# Altium PCB Audio_Research.PcbDoc (part 1 of 4) (continued)
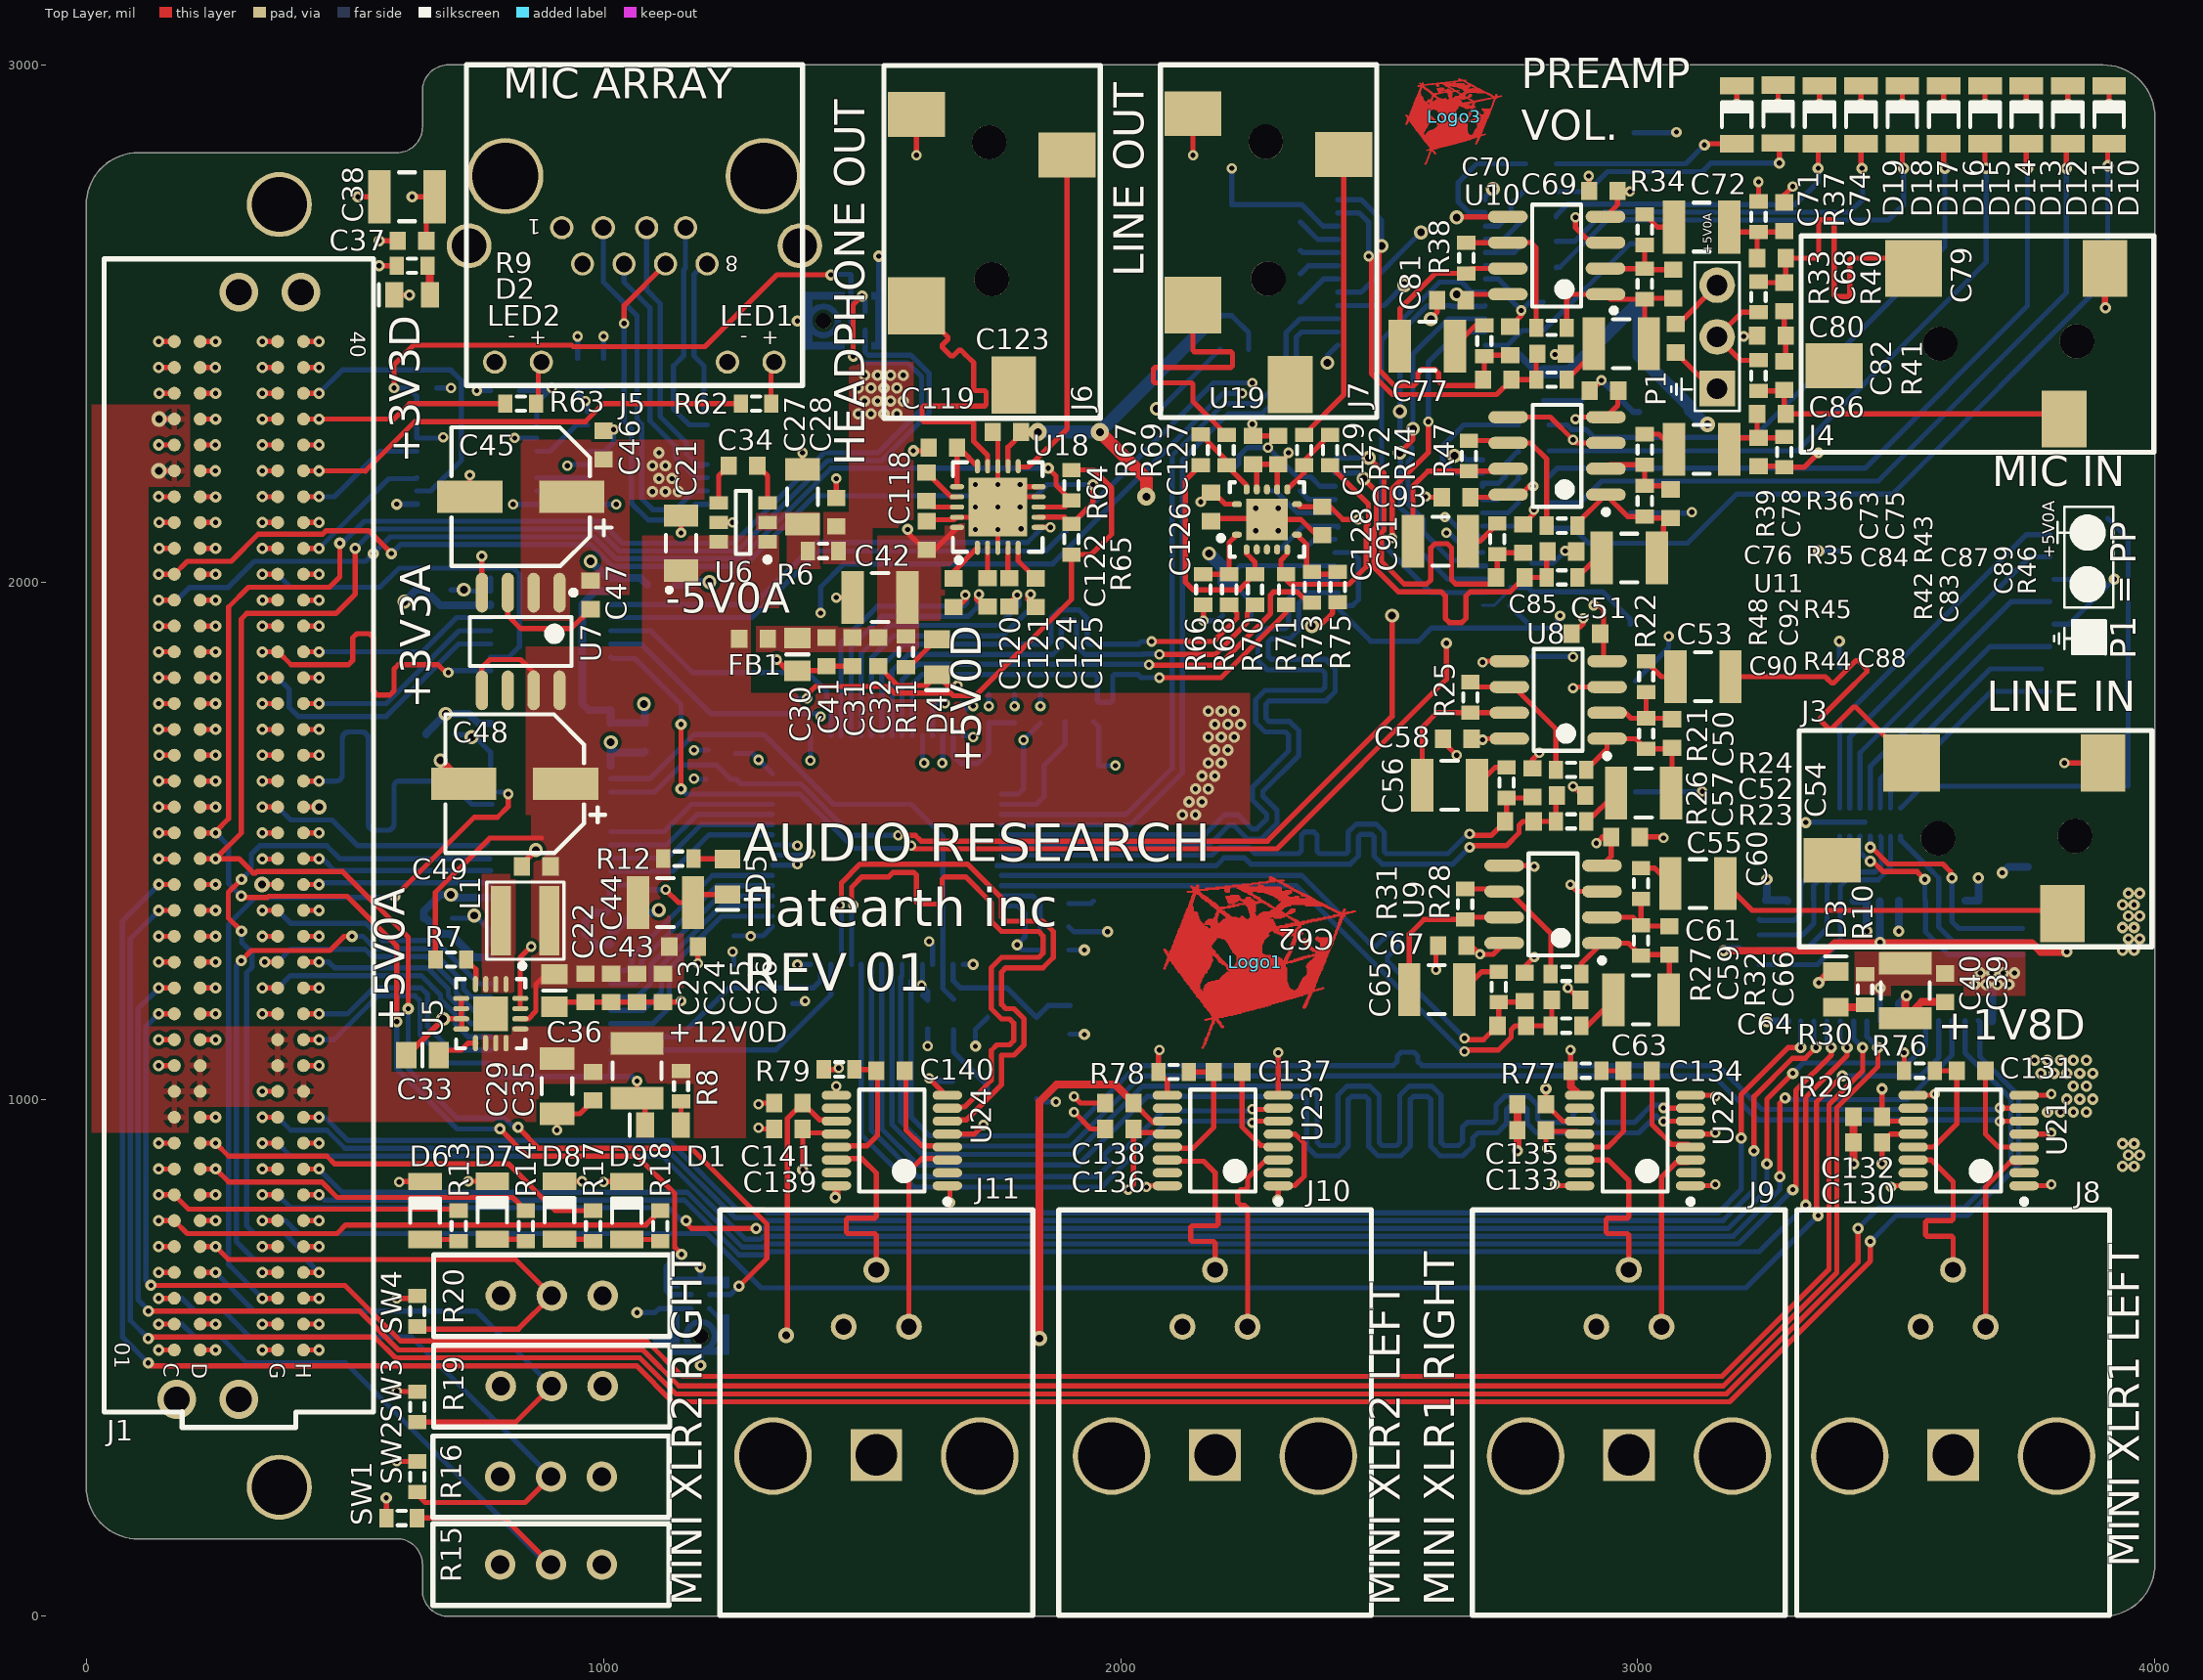
[diagram p0: Top Layer view]
## Components (designator, comment, footprint, x,y, rotation, side; value= is the part's Value field where it differs from the comment) (continued)
C74 "C1608C0G2A101J" 3-0603_L 3283.66,2706.34 r90 top
C75 "CL10F104ZO8NNNC" 3-0603_L 3073.66,2471.34 r90 top
C76 "C1608C0G2A101J" 3-0603_L 2728.35,2391.34 r0 top
C77 "CL32A476KOJNNNE" C1210X25_L 2593.35,2456.34 r0 top
C78 "" 3-0603_L 2753.35,2466.34 r270 top
C79 "CL10B102KB8NNNC" 3-0603_L 3283.66,2551.34 r90 top
C80 "CL10B102KB8NNNC" 3-0603_L 3258.66,2476.34 r180 top
C81 "CL10F104ZO8NNNC" 3-0603_L 2640,2545 r0 top
C82 "CL10B102KB8NNNC" 3-0603_L 3283.66,2399.29 r90 top
C83 "CL10C121JB8NCNC" 3-0603_L 3063.66,2151.34 r270 top
C84 "CL10F104ZO8NNNC" 3-0603_L 2935,2370 r0 top
C85 "" 3-0603_L 2853.66,2058.9 r0 top
C86 "CGA3E1X7R1C105M080AC" 3-0603_L 3258.66,2325.04 r180 top
C87 "CL32A476KOJNNNE" C1210X25_L 3123.66,2256.34 r180 top
C88 "CL32A476KOJNNNE" C1210X25_L 2983.66,2046.34 r180 top
C89 "C1608C0G2A101J" 3-0603_L 3233.66,2251.34 r270 top
C90 "C1608C0G2A101J" 3-0603_L 2753.66,2008.9 r0 top
C91 "CL32A476KOJNNNE" C1210X25_L 2618.66,2078.9 r0 top
C92 "" 3-0603_L 2778.66,2083.9 r270 top
C93 "CL10F104ZO8NNNC" 3-0603_L 2648.66,2163.9 r0 top
C94 "T495D475K050ATE275" 2917-TANTALUM-CAP 2995.83,1594.09 r90 bottom
C95 "T495D475K050ATE275" 2917-TANTALUM-CAP 2985.83,2133.23 r270 bottom
C96 "CL10F104ZO8NNNC" 3-0603_L 2795.83,1883.66 r90 bottom
C97 "CL10F104ZO8NNNC" 3-0603_L 2845.83,1883.66 r90 bottom
C98 "CL10F104ZO8NNNC" 3-0603_L 2795.83,2008.66 r270 bottom
C99 "CL10F104ZO8NNNC" 3-0603_L 2225,1935.47 r0 bottom
C100 "T495D475K050ATE275" 2917-TANTALUM-CAP 2200.14,2000.43 r90 bottom
C101 "CL10F104ZO8NNNC" 3-0603_L 2320,2176.02 r180 bottom
C102 "CL10F104ZO8NNNC" 3-0603_L 2330,2065 r180 bottom
C103 "T495D475K050ATE275" 2917-TANTALUM-CAP 3002.72,2329.09 r90 bottom
C104 "T495D475K050ATE275" 2917-TANTALUM-CAP 2992.72,2868.66 r270 bottom
C105 "CL10F104ZO8NNNC" 3-0603_L 2817.72,2378.66 r90 bottom
C106 "CL10F104ZO8NNNC" 3-0603_L 2867.72,2378.66 r90 bottom
C107 "CL10F104ZO8NNNC" 3-0603_L 2817.72,2513.66 r270 bottom
C108 "CL10F104ZO8NNNC" 3-0603_L 2220,2449.88 r0 bottom
C109 "T495D475K050ATE275" 2917-TANTALUM-CAP 2215,2515 r90 bottom
C110 "CL10F104ZO8NNNC" 3-0603_L 2335,2665 r270 bottom
C111 "CL10F104ZO8NNNC" 3-0603_L 2347.72,2568.7 r90 bottom
C112 "CL10F104ZO8NNNC" 3-0603_L 1000,2405.47 r90 bottom
C113 "C0603C472K8RACTU" 3-0603_L 950,2405.47 r270 bottom
C114 "CL10F104ZO8NNNC" 3-0603_L 810,2370 r180 bottom
C115 "CL10F104ZO8NNNC" 3-0603_L 650,2375.47 r0 bottom
C116 "CL10F104ZO8NNNC" 3-0603_L 1505,2595 r180 bottom
C117 "CL10F104ZO8NNNC" 3-0603_L 1100,560 r270 bottom
C118 "CGA3E1X7R1C105M080AC" 3-0603_L 1624.45,2184.37 r90 top
C119 "CGA3E1X7R1C105M080AC" 3-0603_L 1656.22,2260 r180 top
C120 "CGA3E1X7R1C474M080AC" 3-0603_L 1677.28,1979.49 r90 top
C121 "CGA3E1X7R1C474M080AC" 3-0603_L 1742.8,1979.84 r90 top
C122 "CGA3E1X7R1C105M080AC" 3-0603_L 1625,2090 r90 top
C123 "CGA3E1X7R1C105M080AC" 3-0603_L 1780,2290 r0 top
C124 "CGA3E1X7R1C474M080AC" 3-0603_L 1785,1979.84 r90 top
C125 "CGA3E1X7R1C474M080AC" 3-0603_L 1836.03,1979.36 r90 top
C126 "CL10F104ZO8NNNC" 3-0603_L 2175,2145 r90 top
C127 "CL10F104ZO8NNNC" 3-0603_L 2256.22,2255 r270 top
C128 "CL10F104ZO8NNNC" 3-0603_L 2390,2117.91 r270 top
C129 "CL10F104ZO8NNNC" 3-0603_L 2305,2255 r90 top
C130 "CL10F104ZO8NNNC" 3-0603_L 3444.72,916.16 r180 top
C131 "CL10F104ZO8NNNC" 3-0603_L 3645,1055 r0 top
C132 "CL10F104ZO8NNNC" 3-0603_L 3444.72,966.16 r180 top
C133 "CL10F104ZO8NNNC" 3-0603_L 2795,940 r180 top
C134 "CL10F104ZO8NNNC" 3-0603_L 3000,1055 r0 top
C135 "CL10F104ZO8NNNC" 3-0603_L 2795,990 r180 top
C136 "CL10F104ZO8NNNC" 3-0603_L 1997.72,942.5 r180 top
C137 "CL10F104ZO8NNNC" 3-0603_L 2207.72,1052.5 r0 top
C138 "CL10F104ZO8NNNC" 3-0603_L 1997.72,992.5 r180 top
C139 "CL10F104ZO8NNNC" 3-0603_L 1357.72,942.5 r180 top
C140 "CL10F104ZO8NNNC" 3-0603_L 1555,1055 r0 top
C141 "CL10F104ZO8NNNC" 3-0603_L 1357.72,992.5 r180 top
C142 "CL10F104ZO8NNNC" 3-0603_L 3755,1417.98 r90 bottom
C143 "CL10F104ZO8NNNC" 3-0603_L 3220,1385 r0 bottom
D1 "LED_RED 4" DIOM2012X12L_RED 1115,950 r180 top
D2 "LED_RED 4" DIOM2012X12L_RED 630,2555 r180 top
D3 "LED_RED 4" DIOM2012X12L_RED 3383,1212.17 r90 top
D4 "LED_ORANGE 3" DIOM2012X12L_ORANGE 1645,1855 r270 top
D5 "LED_ORANGE 3" DIOM2012X12L_ORANGE 1240,1430 r270 top
D6 "LED_GREEN 2" DIOCP3216X11L 655,784.68 r90 top
D7 "LED_GREEN 2" DIOCP3216X11L 785,785.16 r90 top
D8 "LED_GREEN 2" DIOCP3216X11L 915,785.16 r90 top
D9 "LED_GREEN 2" DIOCP3216X11L 1045,784.69 r90 top
D10 "LED_GREEN 2" DIOCP3216X11L 3911.72,2903.66 r90 top
D11 "LED_GREEN 2" DIOCP3216X11L 3831.72,2903.66 r90 top
D12 "LED_GREEN 2" DIOCP3216X11L 3751.72,2903.66 r90 top
D13 "LED_GREEN 2" DIOCP3216X11L 3671.72,2903.66 r90 top
D14 "LED_GREEN 2" DIOCP3216X11L 3591.72,2903.66 r90 top
D15 "LED_GREEN 2" DIOCP3216X11L 3511.72,2903.66 r90 top
D16 "LED_GREEN 2" DIOCP3216X11L 3431.72,2903.66 r90 top
D17 "LED_GREEN 2" DIOCP3216X11L 3351.72,2903.66 r90 top
D18 "LED_GREEN 2" DIOCP3216X11L 3271.72,2904.76 r90 top
D19 "LED_GREEN 2" DIOCP3216X11L 3191.72,2903.66 r90 top
FB1 "BLM18BA220SN1D" 3-0603_L 1290,1890 r0 top
J1 "CONN SNGL-END ARRAY FMALE 160POS" ASP-134603-01 295,1490 r270 top
J2 "CONN SNGL-END ARRAY MALE 160POS" ASP-134604-01 295,1490 r270 bottom
J3 "SJ-3523-SMT-TR" SJ-3523-SMT-TR 3900,1650 r180 top
J4 "SJ-3523-SMT-TR" SJ-3523-SMT-TR 3903.74,2606.34 r180 top
J5 "CONN MOD JACK 8P8C R/A SHIELDED" RJ45 1059.92,2615 r180 top
J6 "SJ-3523-SMT-TR" SJ-3523-SMT-TR 1605.28,2904.37 r270 top
J7 "SJ-3523-SMT-TR" SJ-3523-SMT-TR 2140,2905.47 r270 top
J8 "CONN RCPT MALE MINI XLR 3P SLDR" TRA3M 3610,560 r270 top
J9 "CONN RCPT MALE MINI XLR 3P SLDR" TRA3M 2983,560 r270 top
J10 "CONN RCPT MALE MINI XLR 3P SLDR" TRA3M 2182.72,560 r270 top
J11 "CONN RCPT MALE MINI XLR 3P SLDR" TRA3M 1527.72,560 r270 top
J12 "Micro SD" 693071010811 3675,1865 r90 bottom
L1 "2.2uH Ind" XFL4020 801.69,1345 r0 top
Logo1 "FE_LOGO" feLogo_medium 2260,1265 r0 top
Logo3 "FE_LOGO" feLogo_small 2645,2900 r0 top
P1 "3PIN_Connector" 3PIN_HEADER 3153.66,2373.9 r90 top
R1 "ERJ-3EKF49R9V" 3-0603_R_L 1675,1160 r90 bottom
R2 "ERJ-3EKF5620V" 3-0603_R_L 1947.28,1353.28 r90 bottom
R3 "ERJ-3GEYJ103V" 3-0603_R_L 1400,1775 r0 bottom
R4 "ERJ-3GEYJ103V" 3-0603_R_L 1395,1185 r0 bottom
R5 "ERJ-3GEYJ103V" 3-0603_R_L 1227.28,1618.28 r0 bottom
R6 "ERJ-3RQF3R9V" 3-0603_R_L 1425,2060 r0 top
R7 "ERJ-3EKF1003V" 3-0603_R_L 705,1270 r180 top
R8 "RMCF0603FT1K10" 3-0603_R_L 1150,1025 r90 top
R9 "ERJ-3EKF3740V" 3-0603_R_L 630,2611.46 r180 top
R10 "ERA-3AEB181V" 3-0603_R_L 3439.72,1212.01 r90 top
R11 "ERJ-3EKF4990V" 3-0603_R_L 1585,1865 r90 top
R12 "RMCF0603FT1K10" 3-0603_R_L 1145,1465 r180 top
R13 "ERA-3AEB181V" 3-0603_R_L 720,755 r90 top
R14 "ERA-3AEB181V" 3-0603_R_L 850,755 r90 top
R15 "ERJ-3GEYJ103V" 3-0603_R_L 610,190 r180 top
R16 "ERJ-3GEYJ103V" 3-0603_R_L 640,270 r90 top
R17 "ERA-3AEB181V" 3-0603_R_L 980,755 r90 top
R18 "ERA-3AEB181V" 3-0603_R_L 1110,755 r90 top
R19 "ERJ-3GEYJ103V" 3-0603_R_L 640,405 r90 top
R20 "ERJ-3GEYJ103V" 3-0603_R_L 640,590 r90 top
R21 "ERJ-3EKF5761V" 3-0603_R_L 3016.38,1707.01 r270 top
R22 "ERJ-3EKF5761V" 3-0603_R_L 3016.38,1817.01 r270 top
R23 "ERJ-3EKF2370V" 3-0603_R_L 2871.38,1537.01 r180 top
R24 "ERJ-3EKF5761V" 3-0603_R_L 2871.38,1637.01 r180 top
R25 "ERJ-3EKF5761V" 3-0603_R_L 2676.38,1777.01 r270 top
R26 "ERJ-3EKF2370V" 3-0603_R_L 2746.38,1612.01 r270 top
R27 "ERJ-3EKF5761V" 3-0603_R_L 3006.38,1307.01 r270 top
R28 "ERJ-3EKF5761V" 3-0603_R_L 3006.38,1417.01 r270 top
R29 "ERJ-3EKF2370V" 3-0603_R_L 2861.38,1142.01 r180 top
R30 "ERJ-3EKF5761V" 3-0603_R_L 2861.38,1242.01 r0 top
R31 "ERJ-3EKF5761V" 3-0603_R_L 2666.38,1377.01 r270 top
R32 "ERJ-3EKF2370V" 3-0603_R_L 2731.38,1217.01 r270 top
R33 "ERJ-3EKF5761V" 3-0603_R_L 3013.66,2576.34 r270 top
R34 "ERJ-3EKF5761V" 3-0603_R_L 3013.66,2681.34 r270 top
R35 "ERJ-3EKF2370V" 3-0603_R_L 2833.35,2391.34 r180 top
R36 "ERJ-3EKF5761V" 3-0603_R_L 2833.35,2491.34 r180 top
R37 "ERJ-3EKF4991V" 3-0603_R_L 3233.66,2706.34 r270 top
R38 "ERJ-3EKF5761V" 3-0603_R_L 2668.66,2626.34 r270 top
R39 "ERJ-3EKF2370V" 3-0603_R_L 2703.35,2466.34 r270 top
R40 "ERJ-3EKF6811V" 3-0603_R_L 3233.66,2551.34 r90 top
R41 "ERJ-3EKF6811V" 3-0603_R_L 3233.66,2399.29 r90 top
R42 "ERJ-3EKF5761V" 3-0603_R_L 3013.66,2156.34 r270 top
R43 "ERJ-3EKF5761V" 3-0603_R_L 3013.66,2256.34 r270 top
R44 "ERJ-3EKF2370V" 3-0603_R_L 2853.66,2008.9 r180 top
R45 "ERJ-3EKF5761V" 3-0603_R_L 2853.66,2108.9 r180 top
R46 "ERJ-3EKF4991V" 3-0603_R_L 3283.66,2251.34 r90 top
R47 "ERJ-3EKF5761V" 3-0603_R_L 2673.66,2243.9 r270 top
R48 "ERJ-3EKF2370V" 3-0603_R_L 2728.66,2083.43 r270 top
R49 "ERJ-2RKF10R0X" 2-0402_R_L 2755,1970 r90 bottom
R50 "ERJ-3EKF4990V" 3-0603_R_L 2798.71,2103.66 r180 bottom
R51 "ERJ-3EKF4990V" 3-0603_R_L 2798.71,2153.66 r180 bottom
R52 "ERJ-3EKF4990V" 3-0603_R_L 2798.71,2203.66 r180 bottom
R53 "ERJ-3EKF4990V" 3-0603_R_L 2798.71,2253.66 r180 bottom
R54 "ERJ-3EKF4990V" 3-0603_R_L 2798.71,2303.66 r180 bottom
R55 "ERJ-2RKF10R0X" 2-0402_R_L 2770,2460 r90 bottom
R56 "ERJ-3EKF4990V" 3-0603_R_L 2812.72,2608.66 r180 bottom
R57 "ERJ-3EKF4990V" 3-0603_R_L 2812.72,2658.66 r180 bottom
R58 "ERJ-3EKF4990V" 3-0603_R_L 2812.72,2708.66 r180 bottom
R59 "ERJ-3EKF4990V" 3-0603_R_L 2812.72,2758.66 r180 bottom
R60 "ERJ-3EKF4990V" 3-0603_R_L 2812.72,2808.66 r180 bottom
R61 "ERA-3AEB101V" 3-0603_R_L 1165,2395 r0 bottom
R62 "ERA-3AEB181V" 3-0603_R_L 1295,2345 r0 top
R63 "ERA-3AEB181V" 3-0603_R_L 840,2345 r0 top
R64 "ERJ-3GEYJ103V" 3-0603_R_L_DNP 1905,2187.21 r90 top
R65 "ERJ-3GEYJ103V" 3-0603_R_L_DNP 1905,2082.69 r270 top
R66 "ERJ-3EKF1001V" 3-0603_R_L 2160,1985.47 r270 top
R67 "ERJ-3EKF1001V" 3-0603_R_L 2155,2255.47 r90 top
R68 "ERJ-3EKF1001V" 3-0603_R_L 2210,1985.47 r90 top
R69 "ERJ-3EKF39R2V" 3-0603_R_L 2205,2255 r90 top
R70 "ERJ-3EKF1001V" 3-0603_R_L 2260,1985.47 r90 top
R71 "ERJ-3EKF1001V" 3-0603_R_L 2320,1985.47 r90 top
R72 "ERJ-3EKF39R2V" 3-0603_R_L 2355,2255 r90 top
R73 "ERJ-3EKF1001V" 3-0603_R_L 2370,1990 r90 top
R74 "ERJ-3EKF1001V" 3-0603_R_L 2405,2255 r270 top
R75 "ERJ-3EKF1001V" 3-0603_R_L 2420,1990.47 r90 top
R76 "RMCF0603FG1M00" 3-0603_R_L 3545,1055 r180 top
R77 "RMCF0603FG1M00" 3-0603_R_L 2900,1055 r180 top
R78 "RMCF0603FG1M00" 3-0603_R_L 2102.72,1052.5 r180 top
R79 "RMCF0603FG1M00" 3-0603_R_L 1455.62,1057.5 r180 top
R80 "ERJ-2GEJ103X" 2-0402_R_L 3215.35,1260 r180 bottom
R81 "ERJ-2GEJ103X" 2-0402_R_L 3215.35,1290 r180 bottom
R82 "ERJ-2GEJ103X" 2-0402_R_L 3764.22,1330 r0 bottom
R83 "ERJ-2GEJ103X" 2-0402_R_L 3764.13,1279.45 r0 bottom
R84 "ERJ-2GEJ103X" 2-0402_R_L 3215.35,1317.56 r180 bottom
R85 "ERJ-2GEJ103X" 2-0402_R_L 3215.35,1347.56 r180 bottom
R86 "ERJ-2GEJ103X" 2-0402_R_L 3764.22,1304.68 r0 bottom
SW1 "Slide Switch SPDT Through Hole" EG1218 800,100 r0 top
SW2 "Slide Switch SPDT Through Hole" EG1218 800,270 r0 top
SW3 "Slide Switch SPDT Through Hole" EG1218 801.57,445 r0 top
SW4 "Slide Switch SPDT Through Hole" EG1218 801.57,620 r0 top
U1 "AD1939YSTZ" ST_64_2 1548.06,1481.71 r90 bottom
U2 "IC BUS TRANSCVR 8BIT 24TSSOP" TSOP65P640X120-24N 897.74,1867.33 r180 bottom
U3 "IC BUS TRANSCVR 8BIT 24TSSOP" TSOP65P640X120-24N 897.74,1184.68 r180 bottom
U4 "IC BUS TRANSCVR 8BIT 24TSSOP" TSOP65P640X120-24N 897.74,1530 r180 bottom
U5 "IC REG BUCK 5V 2A SYNC 16QFN" QFN50P300X300X100_HS-17N 782.09,1165.25 r270 top
U6 "SymName" SOT23-6_L 1270,2115.24 r180 top
U7 "ADP3303ARZ-3.3-RL7" SOIC127P600X175-8L 840,1885 r270 top
U8 "ADA4075-2ARZ-R7" SOIC127P600X175-8L 2846.38,1772.01 r180 top
U9 "ADA4075-2ARZ-R7" SOIC127P600X175-8L 2836.38,1376.69 r180 top
U10 "ADA4075-2ARZ-R7" SOIC127P600X175-8L 2843.35,2631.34 r180 top
U11 "ADA4075-2ARZ-R7" SOIC127P600X175-8L 2843.98,2243.9 r180 top
U12 "INMP621" INMP621#1 1464.72,2505 r180 bottom
U13 "Microphone Preamp" SOP65P780X200-24N 2557.28,2095.43 r180 bottom
U14 "Microphone Preamp" SOP65P780X200-24N 2562.72,2598.66 r180 bottom
U15 "DS90LV049TMT" TSOP65P640X120-16N 1085,2240 r180 bottom
U16 "IC TXRX 4BIT DUAL 3ST 16TSSOP" TSOP65P640X120-16N 755,2240 r180 bottom
U17 "INMP621" INMP621#2 1187.72,581.22 r270 bottom
U18 "TPA6130A2RTJR" QFN50P400X400X80_HS-21N 1762.64,2145 r90 top
U19 "TPA6120A2RGYT" PQFN50P350X350X100_HS-15N 2283.07,2120.95 r90 top
U20 "NUF8610MNTXG" ONSC-DFN-16-506AC_V 3439.84,1535.56 r90 bottom
U21 "1606Q16-U" SOP64P600X175-16N 3640,920 r180 top
U22 "1606Q16-U" SOP64P600X175-16N 2995,920 r180 top
U23 "1606Q16-U" SOP64P600X175-16N 2197.72,920 r180 top
U24 "1606Q16-U" SOP64P600X175-16N 1557.72,920 r180 top
U25 "IC TXRX 4BIT DUAL 3ST 16TSSOP" TSOP65P640X120-16N 3379.09,1267 r90 bottom
U26 "IC TXRX 4BIT DUAL 3ST 16TSSOP" TSOP65P640X120-16N 3595,1267.8 r90 bottom
Y1 "ABM3B-12.288MHZ-10-1-U-T" ADM3B 1797.91,1079.54 r270 bottom

## Footprints (in the part's own frame and the unit in brackets; to place one, negate y for a bottom-side part, rotate by r counter-clockwise, add the part's x,y. Pads: shape width x height; smd on the part's side, far side on the other; paste and mask are expansions set on the pad)
2-0402_R_L [mm] "Chip Resistor, Body 1.0x0.5mm, IPC High Density"
  rect 0.6x0.5 smd: 1(-0.5,0) 2(0.5,0)
  body extent -0.5,-0.25 0.5,0.25, height 0.35
3-0603_L [mm] "Chip Capacitor, Body 1.6x0.8mm, IPC High Density"
  rect 0.8x0.9 smd: 1(-0.7,0) 2(0.7,0)
  body extent -0.8,-0.4 0.8,0.4, height 0.9
3-0603_R_L [mm] "Chip Resistor, Body 1.6x0.8mm, IPC High Density"
  rect 0.7x0.9 smd: 1(-0.75,0) 2(0.75,0)
  silkscreen extent -0.2,-0.35 0.2,0.35, body extent -0.77,-0.42 0.78,0.43, height 0.45
3-0603_R_L_DNP [mm] "Chip Resistor, Body 1.6x0.8mm, IPC High Density"
  rect 0.7x0.9 smd: 1(-0.75,0) 2(0.75,0)
  silkscreen extent -0.2,-0.35 0.2,0.35
3PIN_HEADER [mm]
  rect 1.75x1.75 hole 1.02: 1(0,0)
  round 1.75 hole 1.02: 2(2.54,0) 3(5.08,0)
  silkscreen extent -1.1,-1.1 6.2,1.1, body extent -1.37,-1.24 6.37,1.3, height 8.38
6-0805_L [mm] "Chip Capacitor, Body 2.0x1.2mm, IPC High Density"
  rect 1x1.3 smd: 1(-0.8,0) 2(0.8,0)
  silkscreen extent 0,-0.55 0,0.55, body extent -1,-0.62 1,0.63, height 1
2917-TANTALUM-CAP [mm]
  rect 1.85x2.4 smd: 1(0,0) 2(5.45,0)
  silkscreen extent -1.25,-2.6 6.7,2.35, body extent -1,-2.45 6.4,2, height 1.89
693071010811 [mm] "CONN MICRO SD 8 POS SMD"
  rect 0.8x1.5 smd mask+0: 1(-1.94,3.1) 2(-0.84,2.7) 3(0.26,3.1) 4(1.36,3.3) 5(2.46,3.1) 6(3.56,3.3) 7(4.66,3.1) 8(5.76,3.1)
  rect 1.4x1.9 smd: 9(-6.6,6.95) 9(6.55,5.95)
  rect 1.8x1.4 smd: 10(-0.75,-7.2) 10(4.95,-7.2)
  silkscreen extent -7,-7.6 7,7.6, body extent -7,-7.6 7,7.61, height 1.83
ADM3B [mm] "Ceramic SMD Crystal"
  rect 1.8x1.2 smd: 1(-2,-1) 2(2,-1) 3(2,1.4) 4(-2,1.4)
  silkscreen extent -3.55,-2.3 3.18,2.27, body extent -2.55,-1.35 2.45,1.83, height 1.1
ALUMCAPC630D_D [mm] "Panasonic Aluminum Electrolytic Capacitor, 6.3mm in diameter"
  rect 3.2x1.6 smd: 1(-2.5,0) 2(2.5,0)
  silkscreen extent -4.45,-3.4 3.4,3.4, body extent -3.5,-3.3 3.5,3.3, height 5.41
ASP-134603-01 [mil] "Low Pin Count Female FPGA Mezzanine Card Connector"
  round 25 smd: C1(975,-125) C2(925,-125) C3(875,-125) C4(825,-125) C5(775,-125) C6(725,-125) C7(675,-125) C8(625,-125) C9(575,-125) C10(525,-125) C11(475,-125) C12(425,-125) C13(375,-125) C14(325,-125) C15(275,-125) C16(225,-125) C17(175,-125) C18(125,-125) C19(75,-125) C20(25,-125) C21(-25,-125) C22(-75,-125) C23(-125,-125) C24(-175,-125) C25(-225,-125) C26(-275,-125) C27(-325,-125) C28(-375,-125) C29(-425,-125) C30(-475,-125) C31(-525,-125) C32(-575,-125) C33(-625,-125) C34(-675,-125) C35(-725,-125) C36(-775,-125) C37(-825,-125) C38(-875,-125) C39(-925,-125) C40(-975,-125) D1(975,-75) D2(925,-75) D3(875,-75) D4(825,-75) D5(775,-75) D6(725,-75) D7(675,-75) D8(625,-75) D9(575,-75) D10(525,-75) D11(475,-75) D12(425,-75) D13(375,-75) D14(325,-75) D15(275,-75) D16(225,-75) D17(175,-75) D18(125,-75) D19(75,-75) D20(25,-75) D21(-25,-75) D22(-75,-75) D23(-125,-75) D24(-175,-75) D25(-225,-75) D26(-275,-75) D27(-325,-75) D28(-375,-75) D29(-425,-75) D30(-475,-75) D31(-525,-75) D32(-575,-75) D33(-625,-75) D34(-675,-75) D35(-725,-75) D36(-775,-75) D37(-825,-75) D38(-875,-75) D39(-925,-75) D40(-975,-75) G1(975,75) G2(925,75) G3(875,75) G4(825,75) G5(775,75) G6(725,75) G7(675,75) G8(625,75) G9(575,75) G10(525,75) G11(475,75) G12(425,75) G13(375,75) G14(325,75) G15(275,75) G16(225,75) G17(175,75) G18(125,75) G19(75,75) G20(25,75) G21(-25,75) G22(-75,75) G23(-125,75) G24(-175,75) G25(-225,75) G26(-275,75) G27(-325,75) G28(-375,75) G29(-425,75) G30(-475,75) G31(-525,75) G32(-575,75) G33(-625,75) G34(-675,75) G35(-725,75) G36(-775,75) G37(-825,75) G38(-875,75) G39(-925,75) G40(-975,75) H1(975,125) H2(925,125) H3(875,125) H4(825,125) H5(775,125) H6(725,125) H7(675,125) H8(625,125) H9(575,125) H10(525,125) H11(475,125) H12(425,125) H13(375,125) H14(325,125) H15(275,125) H16(225,125) H17(175,125) H18(125,125) H19(75,125) H20(25,125) H21(-25,125) H22(-75,125) H23(-125,125) H24(-175,125) H25(-225,125) H26(-275,125) H27(-325,125) H28(-375,125) H29(-425,125) H30(-475,125) H31(-525,125) H32(-575,125) H33(-625,125) H34(-675,125) H35(-725,125) H36(-775,125) H37(-825,125) H38(-875,125) H39(-925,125) H40(-975,125)
  silkscreen extent -1135,-261 1125,261, body extent -1132,-257 1130,264, height 258
ASP-134604-01 [mil] "Low Pin Count 10mm Male FPGA Mezzanine Card Connector"
  round 25 smd: C1(975,125) C2(925,125) C3(875,125) C4(825,125) C5(775,125) C6(725,125) C7(675,125) C8(625,125) C9(575,125) C10(525,125) C11(475,125) C12(425,125) C13(375,125) C14(325,125) C15(275,125) C16(225,125) C17(175,125) C18(125,125) C19(75,125) C20(25,125) C21(-25,125) C22(-75,125) C23(-125,125) C24(-175,125) C25(-225,125) C26(-275,125) C27(-325,125) C28(-375,125) C29(-425,125) C30(-475,125) C31(-525,125) C32(-575,125) C33(-625,125) C34(-675,125) C35(-725,125) C36(-775,125) C37(-825,125) C38(-875,125) C39(-925,125) C40(-975,125) D1(975,75) D2(925,75) D3(875,75) D4(825,75) D5(775,75) D6(725,75) D7(675,75) D8(625,75) D9(575,75) D10(525,75) D11(475,75) D12(425,75) D13(375,75) D14(325,75) D15(275,75) D16(225,75) D17(175,75) D18(125,75) D19(75,75) D20(25,75) D21(-25,75) D22(-75,75) D23(-125,75) D24(-175,75) D25(-225,75) D26(-275,75) D27(-325,75) D28(-375,75) D29(-425,75) D30(-475,75) D31(-525,75) D32(-575,75) D33(-625,75) D34(-675,75) D35(-725,75) D36(-775,75) D37(-825,75) D38(-875,75) D39(-925,75) D40(-975,75) G1(975,-75) G2(925,-75) G3(875,-75) G4(825,-75) G5(775,-75) G6(725,-75) G7(675,-75) G8(625,-75) G9(575,-75) G10(525,-75) G11(475,-75) G12(425,-75) G13(375,-75) G14(325,-75) G15(275,-75) G16(225,-75) G17(175,-75) G18(125,-75) G19(75,-75) G20(25,-75) G21(-25,-75) G22(-75,-75) G23(-125,-75) G24(-175,-75) G25(-225,-75) G26(-275,-75) G27(-325,-75) G28(-375,-75) G29(-425,-75) G30(-475,-75) G31(-525,-75) G32(-575,-75) G33(-625,-75) G34(-675,-75) G35(-725,-75) G36(-775,-75) G37(-825,-75) G38(-875,-75) G39(-925,-75) G40(-975,-75) H1(975,-125) H2(925,-125) H3(875,-125) H4(825,-125) H5(775,-125) H6(725,-125) H7(675,-125) H8(625,-125) H9(575,-125) H10(525,-125) H11(475,-125) H12(425,-125) H13(375,-125) H14(325,-125) H15(275,-125) H16(225,-125) H17(175,-125) H18(125,-125) H19(75,-125) H20(25,-125) H21(-25,-125) H22(-75,-125) H23(-125,-125) H24(-175,-125) H25(-225,-125) H26(-275,-125) H27(-325,-125) H28(-375,-125) H29(-425,-125) H30(-475,-125) H31(-525,-125) H32(-575,-125) H33(-625,-125) H34(-675,-125) H35(-725,-125) H36(-775,-125) H37(-825,-125) H38(-875,-125) H39(-925,-125) H40(-975,-125)
  silkscreen extent -1098,-261 1133,261, body extent -1098,-289 1133,289, height 281
C1206 [mm] "Chip Capacitor, Body 3.2x1.6mm, IPC High Density"
  rect 1.1x1.7 smd: 1(-1.35,0) 2(1.35,0)
  silkscreen extent -0.4,-0.75 0.4,0.75, body extent -1.6,-0.8 1.6,0.8, height 1
C1206_TANT [mm] "Chip Capacitor, Body 3.2x1.6mm (CASE A), IPC High Density"
  rect 1.1x1.7 smd: 1(-1.35,0) 2(1.35,0)
  silkscreen extent -2.39,-0.75 0.4,0.75, body extent -1.7,-0.8 1.7,0.8, height 1.64
C1210X25_L [mm] "Chip Capacitor, Body 3.2x2.5mm, IPC High Density"
  rect 1.1x2.6 smd: 1(-1.35,0) 2(1.35,0)
  silkscreen extent -0.4,-1.2 0.4,1.2, body extent -1.6,-1.25 1.6,1.25, height 2.5
DIOCP3216X11L [mm] "Chip Diode, 2-Leads, Body 3.2x1.6mm, IPC High Density"
  rect 0.85x1.65 smd: 1(-1.425,0) 2(1.425,0)
  silkscreen extent -0.6,-0.72 0.6,0.73, body extent -1.6,-0.8 1.6,0.8, height 1.1
DIOM2012X12L_ORANGE [mm] "Molded Diode, 2-Leads, Body 2.0x1.3mm, IPC High Density"
  rect 0.9x1.25 smd: 1(-0.875,0) 2(0.875,0)
  silkscreen extent 1.63,-0.53 1.63,0.53, body extent -1.01,-0.62 1.01,0.62, height 1.1
DIOM2012X12L_RED [mm] "Molded Diode, 2-Leads, Body 2.0x1.3mm, IPC High Density"
  rect 0.9x1.25 smd: 1(-0.875,0) 2(0.875,0)
  silkscreen extent 1.63,-0.53 1.63,0.53, body extent -1.01,-0.63 1.01,0.62, height 1.1
EG1218 [mm] "Slide Switch SPDT Through Hole"
  round 1.5 hole 0.9: 1(0,0) 2(2.5,0) 3(5,0)
  silkscreen extent -3.3,-2 8.3,2, body extent -3.35,-1.92 8.25,2.07, height 7
feLogo_medium [mil] "FlatEarth medium logo in copper"
  Top Layer drawing of 620 lines, arcs and shapes, not listed
feLogo_small [mil] "FlatEarth small logo in copper"
  Top Layer drawing of 623 lines, arcs and shapes, not listed
INMP621#1 [mm] "Wide Dynamic Range Microphone with PDM Digital Output"
  rect 0.4x0.6 smd paste-0.051 mask+0: 1(-1.05,-0.45) 2(-0.35,-0.45) 4(-0.35,0.45) 5(-1.05,0.45)
  rect 0.25x0.25 smd paste-1 mask+0: 3(-1.725,0) 3(1.7,0)
  round 0.762 hole 0.762 unplated paste+0 mask+0: ""(1,0)
  Top Layer region: -0.05,1.05 -0.05,1.4 1.9,1.4 1.9,-1.4 -0.05,-1.4 -0.05,-1.05 1.55,-1.05 1.55,1.05
  Top Layer region: -1.9,-1.4 -1.9,1.4 -1.35,1.4 -1.35,1.05 -1.55,1.05 -1.55,-1.05 -1.35,-1.05 -1.35,-1.4
  Top Layer lines w0.3: 1.7,0 ccw(c1,0) 0.3,0 ccw(c1,0) 1.7,0
  silkscreen extent -2.02,-1.53 2.02,1.53, body extent -2,-1.5 2,1.5, height 1.01
INMP621#2 [mm] "Wide Dynamic Range Microphone with PDM Digital Output"
  rect 0.4x0.6 smd paste-0.051 mask+0: 1(-1.05,-0.45) 2(-0.35,-0.45) 4(-0.35,0.45) 5(-1.05,0.45)
  rect 0.25x0.25 smd paste-1 mask+0: 3(-1.725,0) 3(1.7,0)
  round 0.762 hole 0.762 unplated paste+0 mask+0: ""(1,0)
  Top Layer region: -1.9,-1.4 -1.9,1.4 -1.35,1.4 -1.35,1.05 -1.55,1.05 -1.55,-1.05 -1.35,-1.05 -1.35,-1.4
  Top Layer region: -0.05,1.05 -0.05,1.4 1.9,1.4 1.9,-1.4 -0.05,-1.4 -0.05,-1.05 1.55,-1.05 1.55,1.05
  Top Layer lines w0.3: 1.7,0 cw(c1,0) 1.68,-0.165 cw(c1,0) 0.3,0 cw(c1,0) 1.7,0
  silkscreen extent -2.02,-1.53 2.02,1.53, body extent -2,-1.5 2,1.5, height 1.01
ONSC-DFN-16-506AC_V [mm] "SON, 16-Leads, Body 4x1.6mm, Pitch 0.5mm, Thermal Pad 4.1x0.5mm"
  rect 0.51x0.28 smd mask+0.051: 1(-0.7,1.75) 2(-0.7,1.25) 3(-0.7,0.75) 4(-0.7,0.25) 5(-0.7,-0.25) 6(-0.7,-0.75) 7(-0.7,-1.25) 8(-0.7,-1.75) 9(0.7,-1.75) 10(0.7,-1.25) 11(0.7,-0.75) 12(0.7,-0.25) 13(0.7,0.25) 14(0.7,0.75) 15(0.7,1.25) 16(0.7,1.75)
  rect 0.5x4.1 smd mask+0.051: 17(0,0)
  silkscreen extent -1.52,1.65 -1.27,1.9, body extent -0.8,-2 0.8,2, height 1
PQFN50P350X350X100_HS-15N [mm] "PQFN, 14-Leads, Body 3.50x3.50mm, Pitch 1.50mm/0.50mm, Thermal Pad 2.05x2.05mm, IPC Medium Density"
  oval 0.3x0.5 smd: 1(-0.75,1.475) 7(-0.75,-1.475) 8(0.75,-1.475) 14(0.75,1.475)
  oval 0.5x0.3 smd: 2(-1.475,1) 3(-1.475,0.5) 4(-1.475,0) 5(-1.475,-0.5) 6(-1.475,-1) 9(1.475,-1) 10(1.475,-0.5) 11(1.475,0) 12(1.475,0.5) 13(1.475,1)
  rect 2.05x2.05 smd: 15(0,0)
  silkscreen extent -1.83,-1.83 1.83,2.39, body extent -1.83,-1.83 1.83,1.83, height 1
QFN50P300X300X100_HS-17N [mm] "QFN, 16-Leads, Body 3.00x3.00mm, Pitch 0.50mm, Thermal Pad 1.70x1.70mm, IPC Medium Density"
  oval 0.8x0.25 smd: 1(-1.45,0.75) 2(-1.45,0.25) 3(-1.45,-0.25) 4(-1.45,-0.75) 9(1.45,-0.75) 10(1.45,-0.25) 11(1.45,0.25) 12(1.45,0.75)
  oval 0.25x0.8 smd: 5(-0.75,-1.45) 6(-0.25,-1.45) 7(0.25,-1.45) 8(0.75,-1.45) 13(0.75,1.45) 14(0.25,1.45) 15(-0.25,1.45) 16(-0.75,1.45)
  rect 1.7x1.7 smd: 17(0,0)
  silkscreen extent -2.47,-1.7 1.7,1.7, body extent -1.55,-1.55 1.55,1.55, height 1
QFN50P400X400X80_HS-21N [mm] "QFN, 20-Leads, Body 4.00x4.00mm, Pitch 0.50mm, Thermal Pad 2.90x2.90mm, IPC Medium Density"
  oval 0.7x0.25 smd: 1(-2,1) 2(-2,0.5) 3(-2,0) 4(-2,-0.5) 5(-2,-1) 11(2,-1) 12(2,-0.5) 13(2,0) 14(2,0.5) 15(2,1)
  oval 0.25x0.7 smd: 6(-1,-2) 7(-0.5,-2) 8(0,-2) 9(0.5,-2) 10(1,-2) 16(1,2) 17(0.5,2) 18(0,2) 19(-0.5,2) 20(-1,2)
  rect 2.9x2.9 smd: 21(0,0)
  silkscreen extent -2.73,-2.2 2.2,2.2, body extent -2.05,-2.05 2.05,2.05, height 0.8
RJ45 [mm] "RJ45 Ethernet Connector"
  round 1.14 hole 0.8: 1(3.57,-1.78) 2(2.55,0) 3(1.53,-1.78) 4(0.51,0) 5(-0.6,-1.78) 6(-1.53,0) 7(-2.51,-1.78) 8(-3.57,0) 9(-6.86,4.82) 10(-4.57,4.82) 11(4.57,4.82) 12(6.86,4.82)
  round 2.2 hole 1.7: 13(-8.125,-0.89) 13(8.125,-0.89)
  round 3.75 hole 3.25: 14(-6.35,-4.32) 14(6.35,-4.32)
  silkscreen extent -8.25,-9.78 8.25,5.97, body extent -9.88,-10.2 9.88,6.25, height 15.13
SJ-3523-SMT-TR [mm] "Female 3.5mm audio jack"
  round 1.7 hole 1.7 unplated: 0(1.375,3.575) 0(8.1,3.7)
  rect 2.2x2.8 smd: 1(0,0) 3(2,7.4)
  rect 2.8x2.8 smd: 2(9.4,0)
  rect 2.8x2.2 smd: 4(13.3,4.775)
  silkscreen extent -2.4,-1.6 14.92,9.03, body extent -4.87,-0.87 12.13,8.13, height 5
SOIC127P600X175-8L [mm] "SOIC, 8-Leads, Body 5.0x4.0mm (max), Pitch 1.27mm, IPC High Density"
  oval 1.95x0.6 smd: 1(-2.4,1.905) 2(-2.4,0.635) 3(-2.4,-0.635) 4(-2.4,-1.905) 5(2.4,-1.905) 6(2.4,-0.635) 7(2.4,0.635) 8(2.4,1.905)
  silkscreen extent -2.52,-2.5 1.2,2.71, body extent -3.1,-2.5 3.1,2.5, height 1.75
SOP64P600X175-16N [mm] "SOP, 16-Leads, Body 4.89x3.90mm, Pitch 0.64mm, IPC Medium Density"
  oval 1.45x0.45 smd: 1(-2.725,2.222) 2(-2.725,1.587) 3(-2.725,0.952) 4(-2.725,0.317) 5(-2.725,-0.318) 6(-2.725,-0.953) 7(-2.725,-1.588) 8(-2.725,-2.223) 9(2.725,-2.222) 10(2.725,-1.587) 11(2.725,-0.952) 12(2.725,-0.317) 13(2.725,0.318) 14(2.725,0.953) 15(2.725,1.588) 16(2.725,2.223)
  silkscreen extent -2.85,-2.5 1.6,3.12, body extent -2,-2.5 2,2.5, height 1.75
SOP65P780X200-24N [mm] "SOP, 24-Leads, Body 8.20x5.30mm, Pitch 0.65mm, IPC Medium Density"
  oval 1.65x0.5 smd: 1(-3.625,3.575) 2(-3.625,2.925) 3(-3.625,2.275) 4(-3.625,1.625) 5(-3.625,0.975) 6(-3.625,0.325) 7(-3.625,-0.325) 8(-3.625,-0.975) 9(-3.625,-1.625) 10(-3.625,-2.275) 11(-3.625,-2.925) 12(-3.625,-3.575) 13(3.625,-3.575) 14(3.625,-2.925) 15(3.625,-2.275) 16(3.625,-1.625) 17(3.625,-0.975) 18(3.625,-0.325) 19(3.625,0.325) 20(3.625,0.975) 21(3.625,1.625) 22(3.625,2.275) 23(3.625,2.925) 24(3.625,3.575)
  silkscreen extent -3.75,-4.25 2.4,4.5, body extent -2.8,-4.25 2.8,4.25, height 2
SOT23-6_L [mm] "SOT23, 6-Leads, Body 2.9x1.6mm, Pitch 0.95mm, Lead Span 2.7mm, IPC High Density"
  rect 0.9x0.65 smd mask+0.051: 1(-1.2,0.95) 2(-1.2,0) 3(-1.2,-0.95) 4(1.2,-0.95) 5(1.2,0) 6(1.2,0.95)
  silkscreen extent -1.33,-1.55 0.35,1.95, body extent -1.17,-1.46 1.17,1.46, height 1
ST_64_2 [mil]
  oval 65.5x11 smd mask+1.97: 1(-221.25,147.64) 2(-221.25,127.95) 3(-221.25,108.27) 4(-221.25,88.58) 5(-221.25,68.9) 6(-221.25,49.21) 7(-221.25,29.53) 8(-221.25,9.84) 9(-221.25,-9.84) 10(-221.25,-29.53) 11(-221.25,-49.21) 12(-221.25,-68.9) 13(-221.25,-88.58) 14(-221.25,-108.27) 15(-221.25,-127.95) 16(-221.25,-147.64) 33(221.25,-147.64) 34(221.25,-127.95) 35(221.25,-108.27) 36(221.25,-88.58) 37(221.25,-68.9) 38(221.25,-49.21) 39(221.25,-29.53) 40(221.25,-9.84) 41(221.25,9.84) 42(221.25,29.53) 43(221.25,49.21) 44(221.25,68.9) 45(221.25,88.58) 46(221.25,108.27) 47(221.25,127.95) 48(221.25,147.64)
  oval 11x65.5 smd mask+1.97: 17(-147.64,-221.25) 18(-127.95,-221.25) 19(-108.27,-221.25) 20(-88.58,-221.25) 21(-68.9,-221.25) 22(-49.21,-221.25) 23(-29.53,-221.25) 24(-9.84,-221.25) 25(9.84,-221.25) 26(29.53,-221.25) 27(49.21,-221.25) 28(68.9,-221.25) 29(88.58,-221.25) 30(108.27,-221.25) 31(127.95,-221.25) 32(147.64,-221.25) 49(147.64,221.25) 50(127.95,221.25) 51(108.27,221.25) 52(88.58,221.25) 53(68.9,221.25) 54(49.21,221.25) 55(29.53,221.25) 56(9.84,221.25) 57(-9.84,221.25) 58(-29.53,221.25) 59(-49.21,221.25) 60(-68.9,221.25) 61(-88.58,221.25) 62(-108.27,221.25) 63(-127.95,221.25) 64(-147.64,221.25)
  silkscreen extent -251,-201 201,201, body extent -240,-240 240,240, height 63
TRA3M [mil] "CONN RCPT MALE MINI XLR 3P SLDR"
  round 50 hole 31: 1(0,-63) 2(-110,0) 3(0,63)
  rect 100x100 hole 80: 4(248,0)
  round 150 hole 130: MNT(250,200) MNT(250,-200)
  silkscreen extent -226,-303 558,303, body extent -222,-303 843,302, height 575
TSOP65P640X120-16N [mm] "TSOP, 16-Leads, Body 5.00x4.40mm, Pitch 0.65mm, IPC Medium Density"
  oval 1.4x0.45 smd: 1(-2.95,2.275) 2(-2.95,1.625) 3(-2.95,0.975) 4(-2.95,0.325) 5(-2.95,-0.325) 6(-2.95,-0.975) 7(-2.95,-1.625) 8(-2.95,-2.275) 9(2.95,-2.275) 10(2.95,-1.625) 11(2.95,-0.975) 12(2.95,-0.325) 13(2.95,0.325) 14(2.95,0.975) 15(2.95,1.625) 16(2.95,2.275)
  silkscreen extent -3.08,-2.55 1.85,3.17, body extent -2.25,-2.55 2.25,2.55, height 1.2
TSOP65P640X120-24N [mm] "TSOP, 24-Leads, Body 7.80x4.40mm, Pitch 0.65mm, IPC Medium Density"
  oval 1.4x0.45 smd: 1(-2.95,3.575) 2(-2.95,2.925) 3(-2.95,2.275) 4(-2.95,1.625) 5(-2.95,0.975) 6(-2.95,0.325) 7(-2.95,-0.325) 8(-2.95,-0.975) 9(-2.95,-1.625) 10(-2.95,-2.275) 11(-2.95,-2.925) 12(-2.95,-3.575) 13(2.95,-3.575) 14(2.95,-2.925) 15(2.95,-2.275) 16(2.95,-1.625) 17(2.95,-0.975) 18(2.95,-0.325) 19(2.95,0.325) 20(2.95,0.975) 21(2.95,1.625) 22(2.95,2.275) 23(2.95,2.925) 24(2.95,3.575)
  silkscreen extent -3.08,-3.95 1.85,4.47, body extent -2.25,-3.95 2.25,3.95, height 1.2
XFL4020 [mm] "Shielded Power Inductors"
  rect 0.98x3.4 smd: 1(0,0) 2(2.37,0)
  silkscreen extent -0.7,-1.9 3.1,1.9, body extent -0.81,-2 3.18,2, height 2.1